# Allegro board 8880F5-0823_RXTX.brd (continued)
## Routing (per net, layer and track width the routed paths; a pad name or vN(x,y) marks a point on that pad's centre or on a via; arc(x,y) is an arc through that point) (continued)
  TOP w0.381: 252.87,201.45 252.87,203.59 253.72,204.45 v1(253.72,204.54)
  vias: v1(253.72,206.58)
S3_AVDD18_RX: length 7.7
  TOP w0.231: 251.28,170.01 251.83,170.56 SITE3.25
  TOP w0.508: 251.28,170.01 251.28,168.9 251.06,168.68 v1(251.06,165.75)
  vias: v1(251.06,163.71)
S3_DCH041: length 2.2
  TOP w0.231: SITE3.159 237.43,182.83 v1(237.23,183.03)
S3_DCH042: length 3.7
  TOP w0.231: SITE3.160 236.43,182.43 v1(235.83,183.03)
S3_DCH043: length 5.3
  TOP w0.231: v1(234.44,183.03) 235.44,182.03 SITE3.161
S3_DCH044: length 2.2
  TOP w0.231: v1(237.23,181.03) 237.43,181.23 SITE3.163
S3_DCH045: length 5.4
  TOP w0.231: v1(244.35,179.83) 243.35,180.83 SITE3.164
S3_DCH046: length 3.9
  TOP w0.231: v1(242.95,179.83) 242.35,180.43 SITE3.165
S3_DCH047: length 2.3
  TOP w0.231: v1(241.56,179.83) 241.36,180.03 SITE3.166
S3_DPS_F_001:
  vias: v1(190.24,131.06)
S3_DPS_F_002: length 10.1
  TOP w0.231: SITE3.3 243.03,170.86 241.72,169.55 240.65,169.55
  TOP w0.508: 240.65,169.55 237.98,166.88 v1(237.98,165.75)
  vias: v1(236.32,162.9) v1(237.98,163.71)
S3_DPS_F_003: length 63.1
  TOP w0.231: 249.28,168.85 248.63,169.5 SITE3.17 ; SITE3.63 264.9,183.23 265.2,182.93 ; 267.84,185.53 266.94,186.43 SITE3.71 ; 259.73,169.66 258.57,169.66 256.63,171.59 SITE3.37 ; SITE3.145 233.08,188.43 232.83,188.18 ; 234.63,181.63 SITE3.162 ; SITE3.107 252.23,200.11 251.69,200.65 251.69,201.16
  TOP w0.381: v1(251.94,204.54) 251.69,204.28 251.69,201.16
  TOP w0.508: 232.83,188.18 232.58,187.93 v1(231.44,187.93) ; 265.2,182.93 265.45,182.68 266.8,182.68 268.11,181.37 v1(271.22,181.37) ; 259.73,169.66 262.36,167.02 v1(262.36,165.75) ; v1(249.28,165.75) 249.28,168.85 ; 234.63,181.63 234.37,181.63 232.59,183.41 v1(231.44,183.41) ; v1(271.22,183.91) 269.46,183.91 267.84,185.53
  vias: v1(229.4,187.93) v1(229.4,183.41) v1(249.28,163.71) v1(251.94,206.58) v1(262.36,163.71) v1(273.27,183.91) v1(273.27,181.37)
S3_DPS_F_006: length 9.6
  TOP w0.231: 268.55,186.19 267.92,186.83 SITE3.72
  TOP w0.508: 268.55,186.19 269.56,185.18 v1(271.22,185.18)
  vias: v1(259,186.67) v1(273.27,185.18)
S3_DPS_F_007: length 19
  TOP w0.231: 264.37,189.01 264.15,189.23 SITE3.78 ; SITE3.97 256.23,200.71 259.65,204.13 v1(259.65,204.54)
  TOP w0.508: v1(271.22,189.5) 270.8,189.5 270.31,189.01 264.37,189.01
  vias: v1(259.65,206.58) v1(273.27,189.5)
S3_DPS_F_009: length 8.8
  TOP w0.231: 252.26,201.12 252.26,200.9 252.63,200.53 SITE3.106
  TOP w0.381: 252.26,201.12 252.26,203.82 252.83,204.39 v1(252.83,204.54)
  vias: v1(252.83,206.58) v1(253.61,207.66)
S3_DPS_F_010: length 8.6
  TOP w0.231: SITE3.111 250.63,200.15 251.05,200.57 251.05,201.13
  TOP w0.381: 251.05,201.13 v1(251.05,204.54)
  vias: v1(251.05,206.58)
S3_DPS_F_011: length 17.6
  TOP w0.231: SITE3.119 247.43,197.79 247.64,198.01 ; v1(231.44,193.69) 232.01,193.69 234.87,190.83 SITE3.139
  TOP w0.508: v1(247.57,204.54) 247.64,204.47 247.64,198.01
  vias: v1(229.4,193.69) v1(247.57,206.58)
S3_DPS_F_012: length 8
  TOP w0.231: 232.2,188.83 SITE3.144
  TOP w0.508: 232.2,188.83 231.81,188.83 v1(231.44,189.2)
  vias: v1(229.4,189.2)
S3_ISP00+: length 486.1
  TOP w0.086: SITE3.73 263.98,187.23 264.06,187.31 270.41,187.31 271.56,186.16 275.81,186.16 v1(276.24,185.73)
  L32_SIGNAL w0.071: v1(184.47,178.86) 187.68,178.86 188.28,178.26 188.28,173.25 187.34,172.32 175.1,172.32 173.65,173.77 173.65,179.4 175.17,180.92 212.12,180.92 213.29,182.09 213.29,184.95 212.41,185.84 175.25,185.84 174.76,186.34 174.76,187.05 175.17,187.46 182.38,187.46 183.03,188.11 196.57,188.11 197.47,189.02 197.47,189.82 196.95,190.34 174.55,190.34 173.59,191.3 173.59,194.17 174.03,194.61 201.75,194.61 202.21,195.06 202.21,195.87 201.75,196.33 177.52,196.33 176.88,196.96 176.88,197.49 177.6,198.21 201.22,198.21 201.59,198.58 201.59,199.52 201.24,199.88 173.12,199.88 170.18,196.93 170.18,185.27 171.26,184.18 171.26,170.8 168.3,167.83 166.09,167.83 162.14,163.89 162.14,148.63 164.25,146.51 195.24,146.51 200.3,151.57 210.5,151.57 218.78,159.86 236.86,159.86 244.19,167.19 261.31,167.19 269.06,174.94 269.06,184.54 270.72,186.2 275.77,186.2 v1(276.24,185.73)
S3_ISP00-: length 486.1
  TOP w0.086: v1(276.24,186.87) 275.77,186.4 271.66,186.4 270.51,187.55 264.06,187.55 263.98,187.63 SITE3.74
  L32_SIGNAL w0.071: v1(276.24,186.87) 275.77,186.4 270.64,186.4 268.86,184.62 268.86,175.02 261.23,167.39 244.11,167.39 236.78,160.06 218.7,160.06 210.42,151.77 200.22,151.77 195.16,146.71 164.33,146.71 162.34,148.71 162.34,163.8 166.17,167.63 168.38,167.63 171.46,170.72 171.46,184.26 170.37,185.35 170.37,196.84 173.21,199.68 201.16,199.68 201.39,199.44 201.39,198.66 201.14,198.4 177.52,198.4 176.69,197.57 176.69,196.88 177.43,196.13 201.67,196.13 202.01,195.79 202.01,195.15 201.67,194.81 173.95,194.81 173.39,194.25 173.39,191.22 174.47,190.14 196.87,190.14 197.28,189.74 197.28,189.1 196.49,188.31 182.95,188.31 182.3,187.66 175.08,187.66 174.56,187.14 174.56,186.26 175.17,185.64 212.32,185.64 213.1,184.87 213.1,182.17 212.04,181.11 175.08,181.11 173.45,179.48 173.45,173.69 175.02,172.12 187.42,172.12 188.47,173.17 188.47,178.49 188.84,178.86 v1(192.47,178.86)
S3_ISP14+: length 486.1
  TOP w0.086: SITE3.112 250.23,197.78 250.15,197.86 250.15,206.68 250.73,207.26 251.76,207.26 252.42,207.92 252.42,208.71 v1(252.86,209.15)
  L28_SIGNAL w0.071: v1(252.86,209.15) 252.39,208.68 252.39,207.97 251.93,207.51 235.72,207.51 232.36,210.88 225.71,210.88 223.87,209.04 215.84,209.04 214.98,208.18 111.66,208.18 106.23,202.75 106.23,166.13 109.7,162.66 161.93,162.66 163.82,160.77 184.44,160.77 189.24,165.57 196.32,165.57 197.96,167.21 205.44,167.21 211.73,160.92 214.06,160.92 215.08,161.94 215.08,165.89 211.8,169.17 132.01,169.17 129.97,171.21 129.97,175.84 133.17,179.03 179.47,179.03 182.98,175.52 182.98,173.56 183.99,172.55 188.17,172.55 188.68,173.06 188.68,174.26 188.48,174.46 v1(184.47,174.46)
S3_ISP14-: length 486.1
  TOP w0.086: v1(251.72,209.15) 252.18,208.69 252.18,208.02 251.66,207.5 250.63,207.5 249.91,206.78 249.91,197.86 249.83,197.78 SITE3.113
  L28_SIGNAL w0.071: v1(251.72,209.15) 252.19,208.68 252.19,208.05 251.85,207.71 235.81,207.71 232.44,211.08 225.63,211.08 223.79,209.24 215.76,209.24 214.9,208.38 111.58,208.38 106.03,202.83 106.03,166.05 109.61,162.47 161.84,162.47 163.74,160.57 184.52,160.57 189.33,165.37 196.4,165.37 198.04,167.02 205.35,167.02 211.65,160.72 214.14,160.72 215.28,161.86 215.28,165.97 211.88,169.37 132.09,169.37 130.17,171.29 130.17,175.76 133.25,178.84 179.39,178.84 182.78,175.44 182.78,173.48 183.91,172.35 188.26,172.35 188.88,172.98 188.88,174.21 189.13,174.46 v1(192.47,174.46)
S3_M_DPS_F_001: length 45.2
  TOP w0.231: SITE3.147 233.7,187.63 233.24,187.18 ; 250.63,170.54 SITE3.22 ; 260.57,170.37 258.54,170.37 257.43,171.49 SITE3.39 ; 266.49,183.63 SITE3.64 ; SITE3.104 253.43,203.21
  TOP w0.381: v1(254.61,204.54) 254.61,204.39 253.43,203.21
  TOP w0.508: 266.49,183.63 267.49,183.63 268.48,182.64 v1(271.22,182.64) ; 250.63,170.54 250.38,170.28 250.38,169.17 250.17,168.96 v1(250.17,165.75) ; v1(231.44,186.66) 232.72,186.66 233.24,187.18 ; 260.57,170.37 263.63,167.31 v1(263.63,165.75)
  vias: v1(229.4,186.66) v1(250.17,163.71) v1(254.61,206.58) v1(263.63,163.71) v1(273.27,182.64)
S3_PS9G_DCH001: length 3.7
  TOP w0.231: SITE3.18 249.03,170.23 v1(249.63,169.63)
S3_PS9G_DCH002: length 2.2
  TOP w0.231: SITE3.19 249.43,171.23 v1(249.63,171.03)
S3_PS9G_DCH003: length 2.2
  TOP w0.231: v1(251.23,171.03) 251.43,171.23 SITE3.24
S3_PS9G_DCH004: length 2.2
  TOP w0.231: v1(257.63,175.23) 257.83,175.03 SITE3.40
S3_PS9G_DCH005: length 2.2
  TOP w0.231: v1(264.43,175.83) 264.23,176.03 SITE3.45
S3_PS9G_DCH006: length 3.7
  TOP w0.231: SITE3.46 265.23,176.43 v1(265.83,175.83)
S3_PS9G_DCH007: length 5.3
  TOP w0.231: SITE3.47 266.22,176.83 v1(267.23,175.83)
S3_PS9G_DCH009: length 2.2
  TOP w0.231: SITE3.49 264.23,177.63 v1(264.43,177.43)
S3_PS9G_DCH010: length 3.7
  TOP w0.231: v1(265.83,177.43) 265.23,178.03 SITE3.50
S3_PS9G_DCH011: length 5.3
  TOP w0.231: SITE3.51 266.22,178.43 v1(267.23,177.43)
S3_PS9G_DCH014: length 3.7
  TOP w0.231: v1(265.83,179.03) 265.23,179.63 SITE3.54
S3_PS9G_DCH015: length 5.3
  TOP w0.231: SITE3.55 266.22,180.03 v1(267.23,179.03)
S3_PS9G_DCH022: length 5.3
  TOP w0.231: v1(267.23,185.03) 267.05,185.03 266.05,184.03 SITE3.65
S3_PS9G_DCH023: length 2.5
  TOP w0.231: SITE3.66 264.03,184.43 264.43,184.83 v1(264.43,185.03)
S3_PS9G_DCH027: length 3.9
  TOP w0.231: v1(265.83,185.03) 264.83,186.03 SITE3.70
S3_PS9G_DCH028: length 2.3
  TOP w0.231: SITE3.77 260.6,188.83 v1(260.23,188.46)
S3_PS9G_DCH030: length 9.2
  TOP w0.231: SITE3.148 237.62,187.23 237.3,186.91 234.16,186.91 232.63,185.39 v1(230.91,185.39)
S3_PS9G_DCH035: length 5.3
  TOP w0.231: v1(234.44,186.23) 235.44,185.23 SITE3.153
S3_PS9G_DCH036: length 2.2
  TOP w0.231: v1(241.43,185.03) 241.23,184.83 SITE3.154
S3_PS9G_DCH037: length 2.2
  TOP w0.231: v1(237.23,184.63) 237.43,184.43 SITE3.155
S3_PS9G_DCH038: length 3.7
  TOP w0.231: SITE3.156 236.43,184.03 v1(235.83,184.63)
S3_PS9G_DCH039: length 5.3
  TOP w0.231: v1(234.44,184.63) 235.44,183.63 SITE3.157
S3_PS9G_DCH040: length 2.2
  TOP w0.231: v1(241.43,183.43) 241.23,183.23 SITE3.158
S3_RLY_001:
  vias: v1(256.73,140.14) v1(282.9,155.38)
S3_RLY_003:
  vias: v1(167.7,182.06) v1(269.94,143.19)
S3_RLY_005:
  vias: v1(184.47,222.95) v1(201.23,222.95)
S3_RLY_007:
  vias: v1(184.47,209.49)
S3_RLY_008:
  vias: v1(167.7,209.49) v1(184.47,195.52)
S3_RLY_016:
  vias: v1(167.7,195.52) v1(201.23,209.49)
S3_RLY_021:
  vias: v1(167.7,168.6) v1(201.23,195.52)
S3_RLY_022:
  vias: v1(184.47,154.88) v1(201.49,155.13)
S3_RLY_023:
  vias: v1(167.7,141.67)
S3_RLY_025:
  vias: v1(201.49,182.06) v1(201.49,168.6)
S3_RLY_026:
  vias: v1(184.47,168.6)
S3_RLY_030:
  vias: v1(167.7,154.88)
S3_RLY_043:
  vias: v1(184.47,182.06)
S3_SCAN_DCH008: length 2.2
  TOP w0.231: SITE3.48 260.43,177.23 v1(260.23,177.03)
S3_SCAN_DCH012: length 2.2
  TOP w0.231: v1(260.23,178.63) 260.43,178.83 SITE3.52
S3_SCAN_DCH013: length 2.2
  TOP w0.231: SITE3.53 264.23,179.23 v1(264.43,179.03)
S3_SCAN_DCH016: length 2.2
  TOP w0.231: SITE3.56 260.43,180.43 v1(260.23,180.23)
S3_SCAN_DCH017: length 2.2
  TOP w0.231: SITE3.57 264.23,180.83 v1(264.43,180.63)
S3_SCAN_DCH018: length 3.7
  TOP w0.231: v1(265.83,180.63) 265.23,181.23 SITE3.58
S3_SCAN_DCH019: length 5.3
  TOP w0.231: SITE3.59 266.22,181.63 v1(267.23,180.63)
S3_SCAN_DCH020: length 2.2
  TOP w0.231: v1(260.23,181.83) 260.43,182.03 SITE3.60
S3_SCAN_DCH021: length 2.2
  TOP w0.231: v1(264.43,182.23) 264.23,182.43 SITE3.61
S3_SCAN_DCH024: length 2.2
  TOP w0.231: v1(260.23,184.63) 260.43,184.83 SITE3.67
S3_SCAN_DCH025: length 3.7
  TOP w0.231: SITE3.68 259.43,185.23 v1(258.83,184.63)
S3_SCAN_DCH026: length 5.3
  TOP w0.231: v1(257.44,184.63) 258.44,185.63 SITE3.69
S3_SCAN_DCH031: length 3.7
  TOP w0.231: SITE3.149 242.23,186.83 v1(242.83,187.43)
S3_SCAN_DCH032: length 5.3
  TOP w0.231: v1(244.22,187.43) 243.22,186.43 SITE3.150
S3_SCAN_DCH033: length 2.2
  TOP w0.231: v1(237.23,186.23) 237.43,186.03 SITE3.151
S3_SCAN_DCH034: length 3.7
  TOP w0.231: v1(235.83,186.23) 236.43,185.63 SITE3.152
S3_SPI_CSN: length 25.9
  TOP w0.231: v1(259.23,171.03) 259.03,171.23 SITE3.43
  BOTTOM w0.231: 250.11,159.95 250.61,160.44 252.25,160.44 252.91,161.11 252.91,173.59 253.58,174.25 255.17,174.25 258.4,171.03 v1(259.23,171.03)
S3_SPI_SCK: length 25.3
  TOP w0.231: v1(258.83,175.23) 258.63,175.03 SITE3.42
  BOTTOM w0.231: v1(258.83,175.23) 258.83,173.98 260.53,172.28 260.53,169.11 259.96,168.54 257.9,168.54 257.17,169.27 255.92,169.27 255.03,168.39 255.03,158.48
S3_SPI_SDI: length 34.1
  TOP w0.231: SITE3.44 259.43,176.03 v1(258.83,176.63)
  BOTTOM w0.231: 258.07,151.53 258.07,166.28 258.85,167.06 262.04,167.06 262.6,167.63 262.6,172.86 v1(258.83,176.63)
S3_SPI_SDO: length 37
  TOP w0.231: SITE3.41 258.23,176.03 v1(257.63,176.63)
  BOTTOM w0.231: v1(257.63,176.63) 258.83,177.83 261.5,177.83 262.29,177.04 262.29,175.83 264.72,173.4 264.72,150.32
S3_XTAL_OUT: length 3.7
  TOP w0.231: SITE3.110 251.03,199.03 v1(251.63,199.63)
S4_2AUX+:
  vias: v1(300.22,132.08) v1(300.22,130.81)
S4_2AUX-:
  vias: v1(296.68,130.81) v1(297.68,132.08)
S4_AUX_100DCH002+:
  vias: v1(299.22,132.08)
S4_AUX_100DCH002-:
  vias: v1(296.68,132.08)
S4_AUXCH+: length 32.3
  TOP w0.203: SITE4.21 330.23,176.2 v2(330.6,176.57)
  BOTTOM w0.203: v2(330.6,176.57) 330.3,176.28 330.3,174.52 327.57,171.79 327.57,149.14
S4_AUXCH-: length 32.1
  TOP w0.203: v2(329.46,176.57) 329.83,176.2 SITE4.20
  BOTTOM w0.203: 327.02,149.37 327.02,172.02 329.76,174.75 329.76,176.28 v2(329.46,176.57)
S4_AVDD11_RX: length 8.4
  TOP w0.231: SITE4.31 334.23,168.29 334.67,167.85
  TOP w0.508: v1(336.77,165.75) 334.67,167.85
  vias: v1(336.77,163.71)
S4_AVDD11_XTAL: length 8.8
  TOP w0.231: SITE4.105 333.03,200.95 332.87,201.11 332.87,201.45
  TOP w0.381: 332.87,201.45 332.87,203.59 333.72,204.45 v1(333.72,204.54)
  vias: v1(333.72,206.58)
S4_AVDD18_RX: length 7.7
  TOP w0.231: SITE4.25 331.83,170.56 331.28,170.01
  TOP w0.508: 331.28,170.01 331.28,168.9 331.06,168.68 v1(331.06,165.75)
  vias: v1(331.06,163.71)
S4_DCH041: length 2.2
  TOP w0.231: v1(317.23,183.03) 317.43,182.83 SITE4.159
S4_DCH042: length 3.7
  TOP w0.231: v1(315.83,183.03) 316.43,182.43 SITE4.160
S4_DCH043: length 5.3
  TOP w0.231: SITE4.161 315.44,182.03 v1(314.43,183.03)
S4_DCH044: length 2.2
  TOP w0.231: SITE4.163 317.43,181.23 v1(317.23,181.03)
S4_DCH045: length 5.4
  TOP w0.231: SITE4.164 323.35,180.83 v1(324.35,179.83)
S4_DCH046: length 3.9
  TOP w0.231: SITE4.165 322.35,180.43 v1(322.95,179.83)
S4_DCH047: length 2.3
  TOP w0.231: v1(321.56,179.83) 321.36,180.03 SITE4.166
S4_DPS_F_001:
  vias: v1(297.68,130.81)
S4_DPS_F_002: length 10.1
  TOP w0.231: SITE4.3 323.03,170.86 321.72,169.55 320.65,169.55
  TOP w0.508: 320.65,169.55 317.98,166.88 v1(317.98,165.75)
  vias: v1(316.32,162.9) v1(317.98,163.71)
S4_DPS_F_003: length 63.1
  TOP w0.231: 339.73,169.66 338.57,169.66 336.63,171.59 SITE4.37 ; 345.2,182.93 344.9,183.23 SITE4.63 ; 312.83,188.18 313.08,188.43 SITE4.145 ; 314.63,181.63 SITE4.162 ; SITE4.17 328.63,169.5 329.28,168.85 ; 347.84,185.53 346.94,186.43 SITE4.71 ; SITE4.107 332.23,200.11 331.69,200.65 331.69,201.16
  TOP w0.381: v1(331.94,204.54) 331.69,204.28 331.69,201.16
  TOP w0.508: v1(311.44,187.93) 312.58,187.93 312.83,188.18 ; v1(311.44,183.41) 312.59,183.41 314.37,181.63 314.63,181.63 ; 339.73,169.66 342.36,167.02 v1(342.36,165.75) ; 345.2,182.93 345.45,182.68 346.8,182.68 348.11,181.37 v1(351.22,181.37) ; v1(329.28,165.75) 329.28,168.85 ; 347.84,185.53 349.45,183.91 v1(351.22,183.91)
  vias: v1(309.4,187.93) v1(309.4,183.41) v1(329.28,163.71) v1(331.94,206.58) v1(342.36,163.71) v1(353.27,183.91) v1(353.27,181.37) v1(464.57,192.28)
S4_DPS_F_006: length 9.6
  TOP w0.231: SITE4.72 347.92,186.83 348.55,186.19
  TOP w0.508: 348.55,186.19 349.56,185.18 v1(351.22,185.18)
  vias: v1(339,186.67) v1(353.27,185.18)
S4_DPS_F_007: length 19
  TOP w0.231: SITE4.78 344.15,189.23 344.37,189.01 ; v1(339.65,204.54) 339.65,204.13 336.23,200.71 SITE4.97
  TOP w0.508: v1(351.22,189.5) 350.8,189.5 350.31,189.01 344.37,189.01
  vias: v1(339.65,206.58) v1(353.27,189.5)
S4_DPS_F_009: length 8.8
  TOP w0.231: SITE4.106 332.63,200.53 332.26,200.9 332.26,201.12
  TOP w0.381: 332.26,201.12 332.26,203.82 332.83,204.39 v1(332.83,204.54)
  vias: v1(332.83,206.58) v1(333.61,207.66)
S4_DPS_F_010: length 8.6
  TOP w0.231: 331.05,201.13 331.05,200.57 330.63,200.15 SITE4.111
  TOP w0.381: 331.05,201.13 v1(331.05,204.54)
  vias: v1(330.63,193.59) v1(331.05,206.58)
S4_DPS_F_011: length 17.6
  TOP w0.231: 327.64,198.01 327.43,197.79 SITE4.119 ; SITE4.139 314.87,190.83 312.01,193.69 v1(311.44,193.69)
  TOP w0.508: 327.64,198.01 327.64,204.47 v1(327.57,204.54)
  vias: v1(309.4,193.69) v1(327.57,206.58)
S4_DPS_F_012: length 8
  TOP w0.231: 312.2,188.83 SITE4.144
  TOP w0.508: 312.2,188.83 311.81,188.83 v1(311.44,189.2)
  vias: v1(309.4,189.2)
S4_DPS_F_013:
  vias: v1(452.62,188.98) v1(452.62,181.36) v1(457.25,190.45) v1(474.87,173.79) v1(474.89,161.55) v1(474.99,175.15) v1(475.99,187.35) v1(478.43,173.74) v1(478.43,161.55) v1(478.53,187.35) v1(478.53,175.15) v1(480.97,161.55) v1(481.07,175.15) v1(482.1,197.87) v1(482.1,190.25) v1(483.51,161.55) v1(483.61,175.15) v1(489.86,169.47) v1(490.1,183.24)
S4_ISP00+: length 238.8
  TOP w0.086: SITE4.73 343.98,187.23 344.06,187.31 350.41,187.31 351.56,186.16 355.81,186.16 v1(356.24,185.73)
  L32_SIGNAL w0.071: v1(356.24,185.73) 355.77,186.2 355.31,186.2 354.86,186.64 354.86,188.01 355.37,188.52 357.16,188.52 361.3,184.37 400.96,184.37 406.65,178.68 413.87,178.68 418.41,174.14 418.41,159.6 415.34,156.53 402.93,156.53 397.95,161.51 388.6,161.51 385.64,158.56 370.77,158.56 367.05,154.84 356.49,154.84 355.51,155.82 336.95,155.82 330.95,149.82 330.95,148.6 333.05,146.49 333.05,141.35 326.6,134.9 308.06,134.9 307.81,134.65 v1(307.81,131.64)
S4_ISP00-: length 238.8
  TOP w0.086: SITE4.74 343.98,187.63 344.06,187.55 350.51,187.55 351.66,186.4 355.77,186.4 v1(356.24,186.87)
  L32_SIGNAL w0.071: v1(356.24,186.87) 355.77,186.4 355.39,186.4 355.06,186.73 355.06,187.93 355.45,188.32 357.08,188.32 361.22,184.18 400.88,184.18 406.57,178.49 413.79,178.49 418.21,174.06 418.21,159.68 415.26,156.73 403.01,156.73 398.03,161.71 388.52,161.71 385.56,158.76 370.68,158.76 366.97,155.04 356.57,155.04 355.59,156.02 336.87,156.02 330.75,149.9 330.75,148.51 332.85,146.41 332.85,141.43 326.52,135.1 308.02,135.1 307.81,135.31 v1(307.81,139.64)
S4_ISP14+: length 238.8
  TOP w0.086: v1(332.86,209.15) 332.42,208.71 332.42,207.92 331.76,207.26 330.73,207.26 330.15,206.68 330.15,197.86 330.23,197.78 SITE4.112
  L28_SIGNAL w0.071: v1(332.86,209.15) 332.39,209.62 332.39,210.02 332.81,210.44 333.48,210.44 333.79,210.13 333.79,209.07 332.34,207.62 316.37,207.62 310.71,213.29 306.57,213.29 298.29,221.56 282.37,221.56 276.69,227.25 276.69,228.17 272.97,231.88 265.51,231.88 261.24,227.6 261.24,215.03 264.85,211.42 268.58,211.42 269.22,210.77 269.22,209.76 265.58,206.11 265.58,193.54 270.17,188.95 270.17,172.2 284.88,157.49 284.88,141.49 290.57,135.81 311.76,135.81 312.21,135.36 v1(312.21,131.64)
S4_ISP14-: length 238.8
  TOP w0.086: v1(331.72,209.15) 332.18,208.69 332.18,208.02 331.66,207.5 330.63,207.5 329.91,206.78 329.91,197.86 329.83,197.78 SITE4.113
  L28_SIGNAL w0.071: v1(312.21,139.64) 312.21,136.12 312.09,136 290.65,136 285.08,141.57 285.08,157.57 270.37,172.28 270.37,189.03 265.77,193.62 265.77,206.03 269.42,209.68 269.42,210.85 268.66,211.62 264.93,211.62 261.43,215.11 261.43,227.52 265.6,231.68 272.89,231.68 276.49,228.08 276.49,227.17 282.29,221.37 298.21,221.37 306.49,213.09 310.63,213.09 316.29,207.42 332.42,207.42 333.98,208.99 333.98,210.22 333.56,210.64 332.73,210.64 332.19,210.1 332.19,209.62 v1(331.72,209.15)
S4_M_DPS_F_001: length 45.2
  TOP w0.231: 346.49,183.63 SITE4.64 ; SITE4.104 333.43,203.21 ; 340.57,170.37 338.54,170.37 337.43,171.49 SITE4.39 ; 330.63,170.54 SITE4.22 ; SITE4.147 313.7,187.63 313.24,187.18
  TOP w0.381: 333.43,203.21 334.61,204.39 v1(334.61,204.54)
  TOP w0.508: 313.24,187.18 312.72,186.66 v1(311.44,186.66) ; 346.49,183.63 347.49,183.63 348.48,182.64 v1(351.22,182.64) ; v1(330.17,165.75) 330.17,168.96 330.38,169.17 330.38,170.28 330.63,170.54 ; v1(343.63,165.75) 343.63,167.31 340.57,170.37
  vias: v1(309.4,186.66) v1(330.17,163.71) v1(334.61,206.58) v1(343.63,163.71) v1(353.27,182.64)
S4_PS9G_DCH001: length 3.7
  TOP w0.231: v1(329.63,169.63) 329.03,170.23 SITE4.18
S4_PS9G_DCH002: length 2.2
  TOP w0.231: SITE4.19 329.43,171.23 v1(329.63,171.03)
S4_PS9G_DCH003: length 2.2
  TOP w0.231: SITE4.24 331.43,171.23 v1(331.23,171.03)
S4_PS9G_DCH004: length 2.2
  TOP w0.231: SITE4.40 337.83,175.03 v1(337.63,175.23)
S4_PS9G_DCH005: length 2.2
  TOP w0.231: v1(344.43,175.83) 344.23,176.03 SITE4.45
S4_PS9G_DCH006: length 3.7
  TOP w0.231: SITE4.46 345.23,176.43 v1(345.83,175.83)
S4_PS9G_DCH007: length 5.3
  TOP w0.231: SITE4.47 346.22,176.83 v1(347.22,175.83)
S4_PS9G_DCH009: length 2.2
  TOP w0.231: v1(344.43,177.43) 344.23,177.63 SITE4.49
S4_PS9G_DCH010: length 3.7
  TOP w0.231: v1(345.83,177.43) 345.23,178.03 SITE4.50
S4_PS9G_DCH011: length 5.3
  TOP w0.231: v1(347.22,177.43) 346.22,178.43 SITE4.51
S4_PS9G_DCH014: length 3.7
  TOP w0.231: v1(345.83,179.03) 345.23,179.63 SITE4.54
S4_PS9G_DCH015: length 5.3
  TOP w0.231: v1(347.22,179.03) 346.22,180.03 SITE4.55
S4_PS9G_DCH022: length 5.3
  TOP w0.231: SITE4.65 346.05,184.03 347.05,185.03 v1(347.22,185.03)
S4_PS9G_DCH023: length 2.5
  TOP w0.231: SITE4.66 344.03,184.43 344.43,184.83 v1(344.43,185.03)
S4_PS9G_DCH027: length 3.9
  TOP w0.231: v1(345.83,185.03) 344.83,186.03 SITE4.70
S4_PS9G_DCH028: length 2.3
  TOP w0.231: SITE4.77 340.6,188.83 v1(340.23,188.46)
S4_PS9G_DCH029: length 2.2
  TOP w0.231: SITE4.118 327.83,194.23 v1(328.03,194.03)
S4_PS9G_DCH030: length 9.2
  TOP w0.231: SITE4.148 317.62,187.23 317.3,186.91 314.16,186.91 312.63,185.39 v1(310.91,185.39)
S4_PS9G_DCH035: length 5.3
  TOP w0.231: SITE4.153 315.44,185.23 v1(314.43,186.23)
S4_PS9G_DCH036: length 2.2
  TOP w0.231: v1(321.43,185.03) 321.23,184.83 SITE4.154
S4_PS9G_DCH037: length 2.2
  TOP w0.231: SITE4.155 317.43,184.43 v1(317.23,184.63)
S4_PS9G_DCH038: length 3.7
  TOP w0.231: SITE4.156 316.43,184.03 v1(315.83,184.63)
S4_PS9G_DCH039: length 5.3
  TOP w0.231: SITE4.157 315.44,183.63 v1(314.43,184.63)
S4_PS9G_DCH040: length 2.2
  TOP w0.231: SITE4.158 321.23,183.23 v1(321.43,183.43)
S4_RLY_001:
  vias: v1(402.14,146.88) v1(415.1,163.64)
S4_RLY_003:
  vias: v1(318.32,131.64) v1(403.41,209.61)
S4_RLY_005:
  vias: v1(388.43,146.88) v1(415.6,146.88)
S4_RLY_007:
  vias: v1(415.61,188.92)
S4_RLY_008:
  vias: v1(375.22,180.15) v1(397.57,131.89)
S4_RLY_016:
  vias: v1(388.43,163.64) v1(410.78,131.89)
S4_RLY_021:
  vias: v1(384.36,131.89) v1(401.89,163.64)
S4_RLY_022:
  vias: v1(346.27,138.37) v1(375.73,202.38)
S4_RLY_023:
  vias: v1(392.24,202.38)
S4_RLY_025:
  vias: v1(375.22,163.39) v1(388.43,180.15)
S4_RLY_026:
  vias: v1(401.89,180.15)
S4_RLY_030:
  vias: v1(304.61,144.34)
S4_RLY_043:
  vias: v1(304.61,131.64)
S4_SCAN_DCH008: length 2.2
  TOP w0.231: v1(340.23,177.03) 340.43,177.23 SITE4.48
S4_SCAN_DCH012: length 2.2
  TOP w0.231: SITE4.52 340.43,178.83 v1(340.23,178.63)
S4_SCAN_DCH013: length 2.2
  TOP w0.231: SITE4.53 344.23,179.23 v1(344.43,179.03)
S4_SCAN_DCH016: length 2.2
  TOP w0.231: SITE4.56 340.43,180.43 v1(340.23,180.23)
S4_SCAN_DCH017: length 2.2
  TOP w0.231: SITE4.57 344.23,180.83 v1(344.43,180.63)
S4_SCAN_DCH018: length 3.7
  TOP w0.231: SITE4.58 345.23,181.23 v1(345.83,180.63)
S4_SCAN_DCH019: length 5.3
  TOP w0.231: SITE4.59 346.22,181.63 v1(347.22,180.63)
S4_SCAN_DCH020: length 2.2
  TOP w0.231: v1(340.23,181.83) 340.43,182.03 SITE4.60
S4_SCAN_DCH021: length 2.2
  TOP w0.231: SITE4.61 344.23,182.43 v1(344.43,182.23)
S4_SCAN_DCH024: length 2.2
  TOP w0.231: v1(340.23,184.63) 340.43,184.83 SITE4.67
S4_SCAN_DCH025: length 3.7
  TOP w0.231: SITE4.68 339.43,185.23 v1(338.83,184.63)
S4_SCAN_DCH026: length 5.3
  TOP w0.231: v1(337.44,184.63) 338.44,185.63 SITE4.69
S4_SCAN_DCH031: length 3.7
  TOP w0.231: v1(322.83,187.43) 322.23,186.83 SITE4.149
S4_SCAN_DCH032: length 5.3
  TOP w0.231: v1(324.22,187.43) 323.22,186.43 SITE4.150
S4_SCAN_DCH033: length 2.2
  TOP w0.231: v1(317.23,186.23) 317.43,186.03 SITE4.151
S4_SCAN_DCH034: length 3.7
  TOP w0.231: v1(315.83,186.23) 316.43,185.63 SITE4.152
S4_SPI_1_CSN:
  vias: v1(474.99,187.35)
S4_SPI_1_SCK:
  vias: v1(480.07,175.15)
S4_SPI_1_SDI:
  vias: v1(456.19,173.74)
S4_SPI_1_SDO:
  vias: v1(455.94,166.12)
S4_SPI_2_CSN:
  vias: v1(475.87,173.79)
S4_SPI_2_SCK:
  vias: v1(479.97,161.55)
S4_SPI_2_SDI:
  vias: v1(451.62,173.74)
S4_SPI_2_SDO:
  vias: v1(451.87,166.12)
S4_SPI_11_SDI:
  vias: v1(457.19,173.74) v1(477.53,187.35)
S4_SPI_11_SDO:
  vias: v1(456.94,166.12) v1(482.61,175.15)
S4_SPI_22_SDI:
  vias: v1(452.62,173.74) v1(477.43,173.74)
S4_SPI_22_SDO:
  vias: v1(452.87,166.12) v1(482.51,161.55)
S4_SPI_CSN: length 25.9
  TOP w0.231: v1(339.23,171.03) 339.03,171.23 SITE4.43
  BOTTOM w0.231: 330.11,159.95 330.61,160.44 332.25,160.44 332.91,161.11 332.91,173.59 333.57,174.25 335.17,174.25 338.4,171.03 v1(339.23,171.03)
S4_SPI_SCK: length 25.3
  TOP w0.231: SITE4.42 338.63,175.03 v1(338.83,175.23)
  BOTTOM w0.231: v1(338.83,175.23) 338.83,173.98 340.53,172.28 340.53,169.11 339.96,168.54 337.9,168.54 337.17,169.27 335.92,169.27 335.03,168.39 335.03,158.48
S4_SPI_SDI: length 3.7
  TOP w0.231: v1(338.83,176.63) 339.43,176.03 SITE4.44
S4_SPI_SDO: length 37
  TOP w0.231: SITE4.41 338.23,176.03 v1(337.63,176.63)
  BOTTOM w0.231: v1(337.63,176.63) 338.83,177.83 341.5,177.83 342.29,177.04 342.29,175.83 344.72,173.4 344.72,150.32
S4_XTAL_IN: length 28.3
  TOP w0.231: SITE4.109 331.43,198.03 v1(331.63,198.23)
  BOTTOM w0.231: v1(331.63,198.23) 327.82,198.23 318.94,207.1 318.94,211.27 314.98,215.24
S4_XTAL_OUT: length 26.8
  TOP w0.231: v1(331.63,199.63) 331.03,199.03 SITE4.110
  BOTTOM w0.231: v1(331.63,199.63) 329.83,199.63 322.59,206.87 322.59,211.15 320.8,212.93 320.8,214.36 318.8,216.35
